# Altium PCB EBAZ4205.PcbDoc (part 4 of 6) (continued)
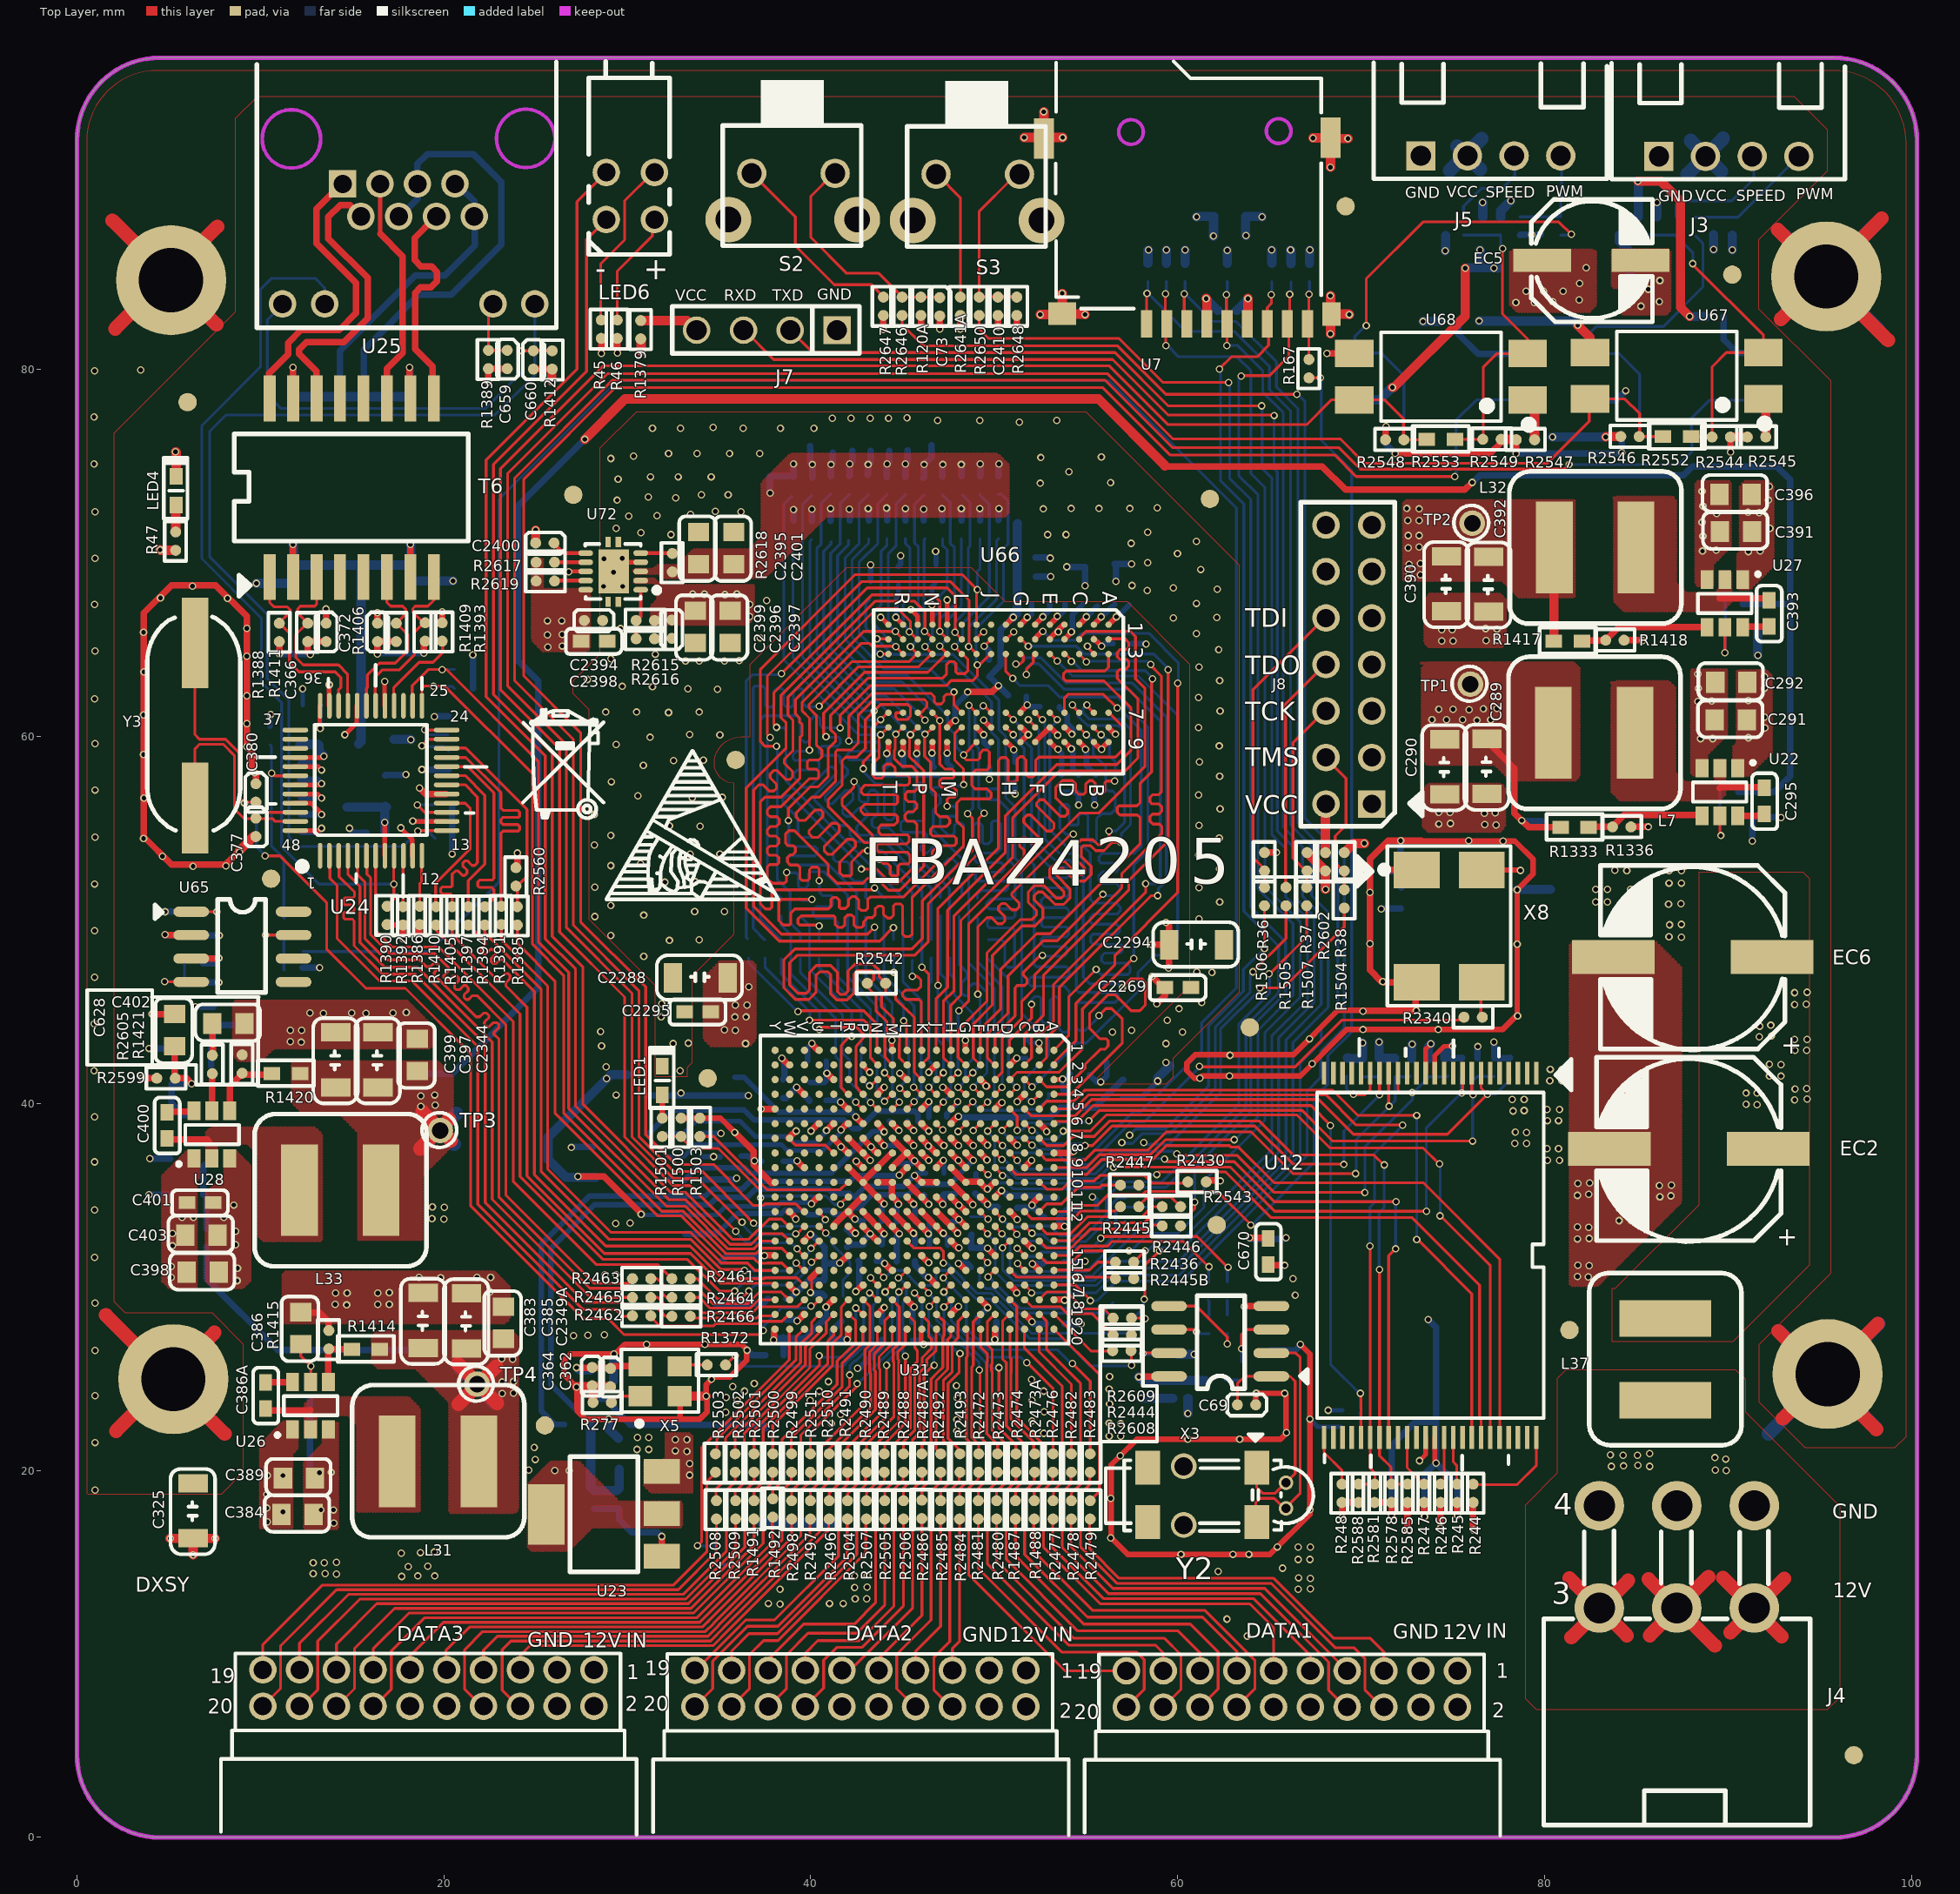
[diagram p0: Top Layer view]
## Nets (pads, with @x,y where several pads share a name; then routed paths per layer and width w, separated by ;. In a path a pad name is that pad's centre, name@x,y a point inside that pad or via, vN(x,y) a via of type N, cw(c..) or ccw(c..) an arc to the next point about the centre after c; other vN are vias at no path point) (continued)
  Top Layer w0.152: v1@44.006,40.081 44.006,40.103 v1(44.022,40.12) U31.M4@44.412,40.51
  Bottom Layer w0.152: R2521.1@41.481,47.831 41.481,46.906 43.256,45.131 43.256,42.481 43.612,42.124 43.612,41.808 ; 43.612,41.808 43.612,40.53 v1(44.022,40.12) v1@43.967,40.12
PS-DDR-A5_0: R2522.1 U31.L1 | length 5.7
  Top Layer w0.152: v1(45.056,44.506) 45.216,44.345 U31.L1@45.216,42.906
  Bottom Layer w0.152: R2522.1@43.506,47.931 43.506,46.931 45.056,45.381 v1(45.056,44.506)
PS-DDR-A6_0: R2523.1 U31.L4 | length 11
  Top Layer w0.152: v1@44.831,40.881 45.202,40.51 U31.L4@45.216,40.51
  Bottom Layer w0.152: R2523.1@42.981,50.156 43.006,50.131 43.006,46.906 44.431,45.481 44.431,44.381 45.331,43.481 45.331,41.381 v1@44.831,40.881
  other v1: 44.856,40.831
PS-DDR-A7_0: R2524.1 U31.K4 | length 10.6
  Top Layer w0.152: v1(45.606,40.881) 45.649,40.881 U31.K4@46.02,40.51
  Bottom Layer w0.152: R2524.1@44.031,50.206 43.981,50.156 43.981,49.131 43.984,49.128 43.984,48.733 43.981,48.73 43.981,48.131 43.984,48.129 43.984,47.733 43.981,47.73 43.981,46.981 45.631,45.331 45.631,40.906 v1(45.606,40.881)
PS-DDR-A8_0: R2525.1 U31.K1 | length 6.9
  Top Layer w0.152: v1(45.531,46.931) 45.806,46.931 46.006,46.731 46.006,46.381 45.806,46.181 45.156,46.181 45.006,46.031 45.006,45.856 45.181,45.681 45.906,45.681 46.02,45.566 U31.K1@46.02,42.906
  Bottom Layer w0.152: v1(45.531,46.931) 45.531,47.781 R2525.1@45.556,47.806
PS-DDR-A9_0: R2526.1 U31.J4 | length 8
  Top Layer w0.152: v1@46.456,40.856 46.802,40.51 U31.J4@46.824,40.51
  Bottom Layer w0.152: v1@46.406,40.831 46.831,41.256 46.831,41.931 46.456,42.306 46.456,46.531 46.556,46.631 R2526.1@46.556,47.931
  other v1: 46.431,40.881
PS-DDR-A10_0: R2527.1 U31.F5 | length 9.2
  Top Layer w0.152: U31.F5@49.236,39.711 49.606,40.081 v1(49.631,40.081)
  Bottom Layer w0.152: R2527.1@48.606,47.931 48.606,47.681 50.006,46.281 50.006,40.431 v1@49.631,40.056
PS-DDR-A11_0: R2528.1 U31.G4 | length 8.5
  Top Layer w0.152: v1(48.031,40.881) 48.402,40.51 U31.G4@48.432,40.51
  Bottom Layer w0.152: R2528.1@47.581,47.931 47.581,47.056 47.831,46.806 47.831,45.906 48.856,44.881 48.856,42.456 48.431,42.031 48.431,41.256 48.056,40.881 v1(48.031,40.881)
PS-DDR-A12_0: R2529.1 U31.E4 | length 10.3
  Top Layer w0.152: U31.E4@50.04,40.51 50.06,40.51 v1(50.431,40.881)
  Bottom Layer w0.152: R2529.1@49.081,50.106 49.106,50.081 49.106,47.706 50.431,46.381 v1(50.431,40.881)
PS-DDR-A13_0: R2530.1 U31.D4 | length 8.3
  Top Layer w0.152: U31.D4@50.844,40.51 50.86,40.51 v1(51.231,40.881)
  Bottom Layer w0.152: R2530.1@49.606,47.956 50.781,46.781 50.781,41.331 v1(51.231,40.881)
PS-DDR-A14_0: R2531.1 U31.F4 | length 12.5
  Top Layer w0.152: v1(48.856,40.881) 48.865,40.881 U31.F4@49.236,40.51
  Bottom Layer w0.152: R2531.1@48.081,50.206 48.081,47.606 48.531,47.156 48.531,46.881 48.231,46.581 48.231,46.031 48.381,45.881 48.531,45.881 48.581,45.931 48.581,46.281 48.831,46.531 49.131,46.531 49.606,46.056 49.606,41.681 v1@48.881,40.956
PS-DDR-BA0_0: R2514.1 U31.L5 | length 11.1
  Top Layer w0.152: U31.L5@45.216,39.711 45.236,39.711 v1(45.631,40.106)
  Bottom Layer w0.152: R2514.1@45.031,50.081 45.031,46.631 46.012,45.649 46.012,40.487 v1(45.631,40.106)
PS-DDR-BA1_0: R2515.1 U31.R4 | length 11.3
  Top Layer w0.152: U31.R4@42.001,40.51 41.656,40.894 41.656,43.155 42.106,43.656 v1(42.231,43.656)
  Bottom Layer w0.152: R2515.1@39.406,50.181 39.456,50.181 39.931,49.706 39.931,47.306 42.231,45.006 v1(42.231,43.656)
PS-DDR-BA2_0: R2516.1 U31.J5 | length 11.3
  Top Layer w0.152: U31.J5@46.824,39.711 46.861,39.711 v1(47.231,40.081)
  Bottom Layer w0.152: R2516.1@47.056,50.231 47.056,47.081 47.381,46.756 47.381,45.606 47.556,45.431 47.556,44.481 47.381,44.306 47.381,43.581 47.631,43.331 47.631,40.481 v1@47.181,40.031
PS-DDR-CAS_0: R2533.1 U31.P5 | length 12.3
  Top Layer w0.152: v1(42.456,40.081) 42.456,40.06 U31.P5@42.805,39.711
  Bottom Layer w0.152: R2533.1@38.381,50.206 38.381,49.731 38.906,49.206 38.906,47.081 41.356,44.631 41.356,42.556 41.606,42.306 41.606,40.906 42.431,40.081 v1@42.431,40.056
PS-DDR-CKE_0: R2536.1 U31.N3 | length 8.6
  Top Layer w0.152: v1@43.231,40.931 U31.N3@43.608,41.308
  Bottom Layer w0.152: R2536.1@40.456,47.906 40.456,47.406 42.756,45.106 42.756,41.356 v1@43.143,40.968
  other v1: 43.205,40.97
PS-DDR-CS_0: R2535.1 U31.N1 | length 10
  Top Layer w0.152: v1(39.306,45.006) 39.356,45.056 42.881,45.056 43.608,44.328 U31.N1@43.608,42.906
  Bottom Layer w0.152: R2535.1@36.606,47.931 36.606,47.681 39.181,45.106 v1@39.206,45.106
PS-DDR-ODT_0: R2513.1 U31.N5 | length 10
  Top Layer w0.152: v1(43.256,40.056) 43.264,40.056 U31.N5@43.608,39.711
  Bottom Layer w0.152: R2513.1@39.431,47.906 39.431,47.156 41.731,44.856 41.731,42.756 42.106,42.381 42.106,41.206 v1@43.281,40.031
PS-DDR-RAS_0: R2532.1 U31.P4 | length 10.8
  Top Layer w0.152: v1(40.456,44.031) 40.581,44.156 42.506,44.156 42.881,43.781 42.881,43.606 42.469,43.104 42.469,40.945 U31.P4@42.805,40.51
  Bottom Layer w0.152: R2532.1@38.406,47.881 38.406,47.056 40.481,44.981 v1@40.481,44.056
PS-DDR-WE_0: R2534.1 U31.M5 | length 9.3
  Top Layer w0.152: U31.M5@44.412,39.711 44.461,39.711 v1(44.831,40.081)
  Bottom Layer w0.152: R2534.1@42.506,47.931 42.506,46.906 44.031,45.381 44.031,43.63 44.024,43.624 44.024,43.087 44.456,42.656 44.456,41.83 44.449,41.824 44.449,40.487 v1@44.781,40.156
REGOUT: C379.2 C382.1 L30.2 U24.8 | length 5.4
  Top Layer w0.254: v1@16.763,55.312 v1(16.781,55.331) U24.8@16.781,53.524
  Bottom Layer w0.508: L30.2@14.731,56.156 16.756,56.156 C379.2@16.806,56.206 ; C382.1@16.781,54.756 16.781,56.081 C379.2@16.856,56.156
REGOUT.0: C368.1 C371.1 C373.1 C375.1 L30.1 T6.2 T6.7 U24.32 | length 23.8
  Top Layer w0.254: v1(14.606,60.106) 15.249,60.749 U24.32@15.249,61.681
  Top Layer w0.356: v1(11.781,70.481) 11.784,70.477 T6.2@11.784,68.706 ; T6.7@18.177,68.706 18.177,70.477 v1(18.181,70.481)
  Bottom Layer w0.508: v1@11.781,70.456 11.806,70.431 C375.1@11.806,69.356 15.482,69.356 ; C371.1@15.356,59.606 15.482,59.731 15.482,69.356 ; v1(18.181,70.481) 18.206,70.456 18.206,69.456 18.106,69.356 15.482,69.356
RESET.0_0: R2392.1 U31.C7 | length 121.7
  Top Layer w0.152: U31.C7@51.648,38.113 52.031,37.731 v1@52.056,37.731
  Bottom Layer w0.152: R2392.1@12.306,48.281 19.206,48.281 23.006,52.081 23.006,72.956 29.456,79.406 56.256,79.406 63.206,72.456 63.206,46.306 61.306,44.406 61.306,42.881 57.981,39.556 57.581,39.556 55.006,36.981 54.106,36.981 53.581,37.506 52.365,37.506 52.165,37.706 v1@52.131,37.706
  other v1: 52.058,37.733
RESET.1_0: C376.1 R1401.1 R1995.1 U24.42 | length 11.1
  Top Layer w0.152: v1(10.606,58.006) 10.744,57.867 U24.42@11.881,57.867
  Bottom Layer w0.152: R1995.1@10.531,59.556 10.606,59.481 10.606,54.031 11.281,53.356 11.281,50.131 R1401.1@11.306,50.106
REST.ON_0: R2469.2 U24.26 U31.Y14 | length 45.1
  Top Layer w0.152: U24.26@18.276,61.681 18.276,62.776 19.156,63.656 v1(19.906,63.656) 20.156,63.656 25.156,58.656 25.156,48.806 26.806,47.156 26.806,39.731 32.131,34.406 33.156,34.406 35.487,32.074 36.858,32.074 36.873,32.089 36.914,32.089 37.331,32.506 U31.Y14@37.956,32.506
  Bottom Layer w0.152: v1@20.006,63.656 R2469.2@20.581,63.656
RXCLK_0: R1410.1 U31.U14 | length 35.8
  Top Layer w0.152: R1410.1@19.581,49.731 19.581,49.456 24.156,44.881 24.156,36.031 28.681,31.506 33.281,31.506 35.006,29.781 v1(35.856,29.781) ; v1@40.031,32.106 40.393,32.467 U31.U14@40.393,32.523
  Bottom Layer w0.152: v1@35.856,29.806 35.881,29.806 36.606,30.531 39.047,30.531 39.631,31.115 39.631,31.181 39.624,31.187 39.624,31.624 v1@40.006,32.006
  other v1: 40.006,32.106
RXD0_0: R1391.1 U31.Y16 | length 29
  Top Layer w0.152: R1391.1@23.131,49.756 23.131,48.931 25.656,46.406 25.656,36.431 29.106,32.981 33.456,32.981 35.124,31.312 36.549,31.312 36.956,30.906 U31.Y16@37.956,30.906
RXD1_0: R1394.1 U31.V16 | length 31.4
  Top Layer w0.152: R1394.1@22.231,49.731 22.231,49.306 25.306,46.231 25.306,36.281 28.981,32.606 33.456,32.606 35.106,30.956 36.356,30.956 v1@36.381,30.931 ; v1@39.256,31.256 39.258,31.256 U31.V16@39.589,30.925
  Bottom Layer w0.152: v1@36.381,30.931 36.431,30.881 38.806,30.881 v1@39.156,31.231
  other v1: 36.381,30.906 39.206,31.306
RXD2_0: R1397.1 U31.V17 | length 33.9
  Top Layer w0.152: R1397.1@21.331,49.731 22.256,48.806 22.256,48.656 22.031,48.431 22.031,48.256 22.131,48.156 22.281,48.156 22.531,48.406 22.656,48.406 22.806,48.256 22.806,48.131 22.581,47.906 22.581,47.731 22.681,47.631 22.856,47.631 23.081,47.856 23.181,47.856 24.931,46.106 24.931,36.131 28.831,32.231 33.431,32.231 35.206,30.456 37.456,30.456 37.505,30.504 39.232,30.504 U31.V17@39.556,30.181
RXD3_0: R1405.1 U31.Y17 | length 32.2
  Top Layer w0.152: R1405.1@20.456,49.731 20.456,49.206 22.881,46.781 23.031,46.781 23.331,47.081 23.506,47.081 23.606,46.981 23.606,46.806 23.381,46.581 23.381,46.406 24.531,45.256 24.531,36.056 28.756,31.831 33.456,31.831 35.085,30.202 37.906,30.202 U31.Y17@37.981,30.127
RXDV_0: R1385.1 U31.W16 | length 27.4
  Top Layer w0.152: R1385.1@24.006,49.731 24.006,48.731 26.056,46.681 26.056,39.481 31.66,33.877 32.951,33.877 35.261,31.566 36.895,31.566 36.982,31.479 37.162,31.299 37.649,31.299 37.656,31.306 38.431,31.306 U31.W16@38.781,30.956
RY/#BY_0: R1358.1 U12.7 U31.C5 | length 30.4
  Top Layer w0.152: U31.C5@51.648,39.711 52.028,39.331 54.406,39.331 55.298,40.223 67.689,40.223 69.581,38.331 74.706,38.331 v1(76.881,40.506) 76.536,40.85 U12.7@76.536,41.656
  Bottom Layer w0.152: v1(76.881,40.506) 77.331,40.506 78.131,41.306 R1358.1@78.131,41.406
TXCLK_0: R2461.1 U24.7 | length 33.1
  Top Layer w0.152: U24.7@16.283,53.506 16.283,49.428 17.181,48.531 19.731,48.531 23.781,44.481 23.781,35.756 28.306,31.231 31.656,31.231 R2461.1@32.356,30.531
TXD0_0: R2463.1 U24.6 | length 34.5
  Top Layer w0.152: U24.6@15.804,53.506 15.804,52.508 16.006,52.306 16.006,49.206 17.031,48.181 19.481,48.181 20.256,47.406 20.256,47.231 20.006,46.981 20.006,46.881 20.156,46.731 20.281,46.731 20.506,46.956 20.681,46.956 20.806,46.831 20.806,46.706 20.581,46.481 20.581,46.306 20.681,46.206 20.856,46.206 21.081,46.431 21.206,46.431 21.331,46.306 21.331,46.156 21.106,45.931 21.106,45.781 21.206,45.681 21.356,45.681 21.556,45.881 21.806,45.881 23.381,44.306 23.381,35.006 28.181,30.206 30.081,30.206 R2463.1@30.306,30.431
TXD1_0: R2464.1 U24.5 | length 37
  Top Layer w0.152: U24.5@15.299,53.506 15.299,52.462 15.706,52.056 15.706,48.981 16.856,47.831 18.681,47.831 19.056,47.456 19.256,47.456 19.456,47.656 19.631,47.656 19.706,47.581 19.706,47.381 19.481,47.156 19.481,47.006 21.756,44.731 21.956,44.731 22.156,44.931 22.331,44.931 22.456,44.806 22.456,44.681 22.281,44.506 22.206,44.431 22.206,44.306 22.331,44.181 22.456,44.181 22.681,44.406 22.906,44.406 23.006,44.306 23.006,44.156 22.731,43.881 22.731,43.781 23.006,43.506 23.006,34.881 27.956,29.931 31.631,29.931 32.131,29.431 R2464.1@32.381,29.431
TXD2_0: R2465.1 U24.4 | length 32.4
  Top Layer w0.152: U24.4@14.781,53.031 14.781,52.481 15.431,51.831 15.431,48.781 16.781,47.431 18.556,47.431 22.631,43.356 22.631,34.781 27.981,29.431 R2465.1@30.281,29.431
TXD3_0: R2466.1 U24.3 | length 37.8
  Top Layer w0.152: U24.3@14.29,53.506 14.29,52.372 15.131,51.531 15.131,51.306 15.031,51.206 14.606,51.206 14.531,51.131 14.531,50.881 14.581,50.831 14.956,50.831 15.106,50.681 15.106,50.531 15.006,50.431 14.581,50.431 14.531,50.381 14.531,50.131 14.606,50.056 15.006,50.056 15.106,49.956 15.106,48.606 16.656,47.056 18.431,47.056 22.256,43.231 22.256,34.606 27.706,29.156 29.756,29.156 29.981,28.931 31.556,28.931 32.081,28.406 R2466.1@32.356,28.406
TXEN_0: R2462.1 U24.2 | length 34.3
  Top Layer w0.152: U24.2@13.785,53.506 13.785,52.276 14.181,51.881 14.181,49.006 16.506,46.681 18.281,46.681 21.856,43.106 21.856,34.506 27.581,28.781 29.356,28.781 29.731,28.406 R2462.1@30.256,28.406
U3.A14_0: R2650.1 U31.A14 | length 72.4
  Top Layer w0.152: R2650.1@49.181,82.956 49.181,82.206 49.681,81.706 56.806,81.706 59.206,79.306 v1(62.781,79.306) ; U31.A14@53.256,32.523 54.223,32.523 55.206,33.506 58.206,33.506 58.531,33.831 60.481,33.831 60.931,34.281 v1(60.931,34.631)
  Bottom Layer w0.152: v1@60.931,34.581 60.931,36.506 63.985,39.56 63.985,39.911 63.981,39.915 63.981,44.131 65.881,46.031 65.881,48.806 63.981,50.706 63.981,72.931 62.831,74.081 62.831,79.256 v1(62.781,79.306)
U3.A17_0: R2646.1 U31.A17 | length 84.3
  Top Layer w0.152: R2646.1@44.981,82.956 44.981,82.456 46.131,81.306 56.706,81.306 59.356,78.656 v1(66.506,78.656) ; U31.A17@53.256,30.127 54.41,30.127 v1@55.231,29.306
  Bottom Layer w0.152: v1@55.356,29.256 55.606,29.256 56.681,30.331 60.231,30.331 67.056,37.156 67.056,40.681 67.806,41.431 67.806,42.856 69.081,44.131 69.081,53.406 66.931,55.556 66.931,78.281 66.556,78.656 v1(66.506,78.656)
  other v1: 55.231,29.256
U3.A.9_0: R160.1 U7.8 U31.A9 | length 61.7
  Top Layer w0.152: U31.A9@53.256,36.516 55.041,36.516 55.735,37.21 58.51,37.21 59.331,38.031 v1(63.081,38.031) ; v1@63.481,79.681 65.006,79.681 66.056,80.731 66.056,82.434 U7.8@65.984,82.506 66.106,82.627 v1(66.106,84.106)
  Bottom Layer w0.152: v1@63.106,38.006 64.381,39.281 64.381,44.006 66.281,45.906 66.281,49.806 64.381,51.706 64.381,73.181 63.331,74.231 v1@63.331,79.531 ; v1@66.131,84.081 66.181,84.131 R160.1@66.181,84.781
  other v1: 63.456,79.656
U3.A.12_0: R167.1 U31.A12 | length 62.1
  Top Layer w0.152: 53.77,34.12 53.256,34.12 54.041,34.12 54.367,34.446 55.621,34.446 55.831,34.656 56.206,35.031 58.081,35.031 58.256,35.206 62.181,35.206 63.981,33.406 v1(63.981,33.381) ; R167.1@67.156,79.556 v1(67.781,79.556)
  Bottom Layer w0.152: v1(63.981,33.381) 64.031,33.381 67.431,36.781 67.431,40.306 68.181,41.056 68.181,42.606 69.481,43.906 69.481,74.506 67.831,76.156 v1@67.831,79.406
U3.A.16_0: J7.2 R2436.2 | length 79.8
  Top Layer w0.152: J7.2@38.881,82.156 40.106,80.931 56.581,80.931 59.481,78.031 v1(64.581,78.031) ; R2436.2@57.606,31.356 v1(58.231,31.981)
  Bottom Layer w0.152: v1(58.231,31.981) 58.356,31.981 58.906,32.531 60.181,32.531 65.131,37.481 65.131,43.681 67.081,45.631 67.081,50.081 65.881,51.281 65.881,53.906 65.131,54.656 65.131,74.106 64.606,74.631 64.606,77.906 v1@64.631,77.931
U3.B.15_0: R164.1 U7.2 U31.B15 | length 67.9
  Top Layer w0.152: U31.B15@52.452,31.724 52.845,31.331 54.206,31.331 54.852,31.977 57.352,31.977 v1(57.356,31.981) ; v1(59.331,84.131) 59.331,82.577 U7.2@59.403,82.506 59.356,82.459 v1(59.356,81.306)
  Bottom Layer w0.152: v1(57.356,31.981) 57.456,31.981 58.406,32.931 60.031,32.931 61.431,34.331 61.431,35.756 64.756,39.081 64.756,43.881 66.681,45.806 66.681,49.906 64.756,51.831 64.756,73.581 63.981,74.356 63.981,79.956 63.231,80.706 60.056,80.706 v1@59.456,81.306 ; v1@59.381,84.156 R164.1@59.381,84.806
U3.C.17_0: R163.1 U7.3 U31.C17 | length 72.6
  Top Layer w0.152: U31.C17@51.648,30.127 52.069,29.706 v1@52.081,29.706 ; v1(60.356,84.131) 60.356,82.649 U7.3@60.5,82.506
  Bottom Layer w0.152: v1@52.056,29.656 52.087,29.687 53.999,29.687 54.006,29.681 55.531,29.681 56.506,30.656 60.106,30.656 66.681,37.231 66.681,42.206 67.831,43.356 67.831,44.256 68.731,45.156 68.731,53.106 66.556,55.281 66.556,77.881 65.381,79.056 65.381,80.431 63.181,82.631 61.906,82.631 v1@60.481,84.056 ; v1@60.406,84.131 R163.1@60.406,84.806
  other v1: 52.031,29.681
U3.D.14_0: R162.1 U7.5 U31.D14 | length 71.1
  Top Layer w0.152: v1(50.456,32.131) 50.456,32.135 U31.D14@50.844,32.523 ; v1(62.656,84.081) 62.656,82.543 U7.5@62.693,82.506 62.693,81.318 v1(62.681,81.306)
  Bottom Layer w0.152: v1(50.456,32.131) 50.456,30.956 51.07,30.341 55.441,30.341 56.506,31.406 60.056,31.406 65.906,37.256 65.906,43.481 67.831,45.406 67.831,50.281 66.806,51.306 66.806,54.006 65.756,55.056 65.756,77.656 64.631,78.781 64.631,79.956 63.256,81.331 v1@62.731,81.331 ; v1@62.706,84.106 R162.1@62.706,84.806
U3.E.12_0: R161.1 U7.7 U31.E12 | length 66.9
  Top Layer w0.152: U31.E12@50.04,34.12 v1(50.456,33.706) v1(50.456,33.706) ; v1(62.281,80.031) 62.281,80.056 62.931,80.706 64.331,80.706 64.956,81.331 64.956,82.437 U7.7@64.887,82.506 64.887,83.387 65.106,83.606 v1(65.106,84.081)
  Bottom Layer w0.152: v1@50.456,33.631 v1(50.456,33.706) 50.887,33.274 51.394,33.274 51.843,33.274 51.893,33.324 53.062,33.324 53.581,32.806 54.956,32.806 56.106,33.956 56.106,34.856 56.681,35.431 59.356,35.431 63.731,39.806 63.727,39.81 63.727,44.252 65.506,46.031 65.506,48.581 63.606,50.481 63.606,72.681 62.331,73.956 v1@62.331,80.031 ; v1@65.131,84.106 R161.1@65.131,84.806
U3.F13_0: R165.1 U7.1 U31.F13 | length 78.1
  Top Layer w0.152: U31.F13@49.236,33.321 49.631,32.927 v1(49.631,32.906) ; U7.1@58.306,82.506 58.306,84.131 v1(58.331,84.156)
  Bottom Layer w0.152: v1@49.606,32.906 50.056,32.456 50.056,30.831 50.799,30.087 55.562,30.087 56.506,31.031 60.056,31.031 66.281,37.256 66.281,43.331 68.206,45.256 68.206,50.431 67.306,51.331 67.306,54.031 66.156,55.181 66.156,77.756 65.006,78.906 65.006,80.181 63.106,82.081 60.456,82.081 v1@58.381,84.156 ; v1@58.306,84.081 v1@58.381,84.156 ; v1(58.331,84.156) v1@58.381,84.156 ; R165.1@58.381,84.806 v1@58.381,84.156
U3.F.15_0: J7.3 R2437.1 | length 85.8
  Top Layer w0.152: J7.3@36.331,82.156 36.381,82.156 37.981,80.556 56.456,80.556 59.481,77.531 65.231,77.531 v1(65.256,77.506) ; v1@58.106,29.331 58.206,29.431 58.206,31.181 v1(59.006,31.981) v1@59.006,32.006
  Bottom Layer w0.152: R2437.1@57.506,28.231 58.131,28.856 v1@58.131,29.356 ; v1(59.006,31.981) 59.181,32.156 60.306,32.156 65.506,37.356 65.506,43.581 67.431,45.506 67.431,50.206 66.406,51.231 66.406,53.881 65.431,54.856 65.431,74.431 65.256,74.606 v1@65.256,77.456
  other v1: 58.181,29.331
U3.U12_0: R2554.1 U31.U12 U69.2 | length 126.3
  Top Layer w0.152: v2@36.939,33.422 36.606,33.756 36.606,33.781 34.081,36.306 32.531,36.306 30.631,38.206 30.631,46.156 27.056,49.731 27.056,59.856 23.856,63.056 23.856,74.081 29.206,79.431 56.031,79.431 59.706,75.756 68.781,75.756 69.956,74.581 74.931,74.581 74.937,74.587 75.274,74.587 75.281,74.581 81.081,74.581 v2(81.331,74.831) ; U31.U12@40.393,34.12 v1@40.807,33.706
  Bottom Layer w0.152: v2@36.939,33.422 37.056,33.306 40.481,33.306 40.795,33.619 v1(40.795,33.669) ; v2(81.331,74.831) 87.331,74.831 88.031,75.531 R2554.1@88.031,76.406 ; R2554.1@88.006,76.331 88.006,77.356 88.981,78.331 91.456,78.331 U69.2@91.506,78.381
  other v2: 36.881,33.481
U3.V12_0: R2557.1 U31.V12 U70.2 | length 111.3
  Top Layer w0.152: U31.V12@39.589,34.12 39.178,34.531 37.506,34.531 37.424,34.449 36.862,34.449 35.549,35.762 35.549,35.837 34.706,36.681 32.631,36.681 31.006,38.306 31.006,46.356 27.456,49.906 27.456,60.206 24.356,63.306 24.356,74.031 29.356,79.031 55.906,79.031 59.581,75.356 68.556,75.356 69.731,74.181 v1(75.106,74.181)
  Bottom Layer w0.152: v1@75.081,74.156 75.181,74.256 75.181,77.256 76.281,78.356 U70.2@79.106,78.356
U3.V13_0: R2546.2 R2552.1 U31.V13 U67.4 | length 121.3
  Top Layer w0.152: v2@36.256,33.506 36.231,33.506 33.831,35.906 32.531,35.906 30.256,38.181 30.256,46.006 26.681,49.581 26.681,59.556 23.481,62.756 23.481,74.356 28.906,79.781 56.181,79.781 59.731,76.231 68.856,76.231 70.181,74.906 80.156,74.906 82.431,77.181 U67.4@82.431,78.056 ; v1@39.256,32.906 39.589,33.239 U31.V13@39.589,33.321 ; U67.4@82.481,78.406 84.381,78.406 85.181,77.606 R2546.2@85.181,76.331 ; R2546.2@85.156,76.356 86.356,76.356 R2552.1@86.381,76.331
  Bottom Layer w0.152: v2@36.231,33.506 36.231,33.431 36.806,32.856 39.131,32.856 v1@39.156,32.831
  other v1: 39.181,32.906
  other v2: 36.256,33.531
U3.V15_0: R2548.2 R2553.1 U31.V15 U68.4 | length 107.9
  Top Layer w0.152: v1@35.981,32.981 33.431,35.531 32.506,35.531 29.856,38.181 29.856,45.806 26.306,49.356 26.306,59.331 23.081,62.556 23.081,74.606 28.681,80.206 56.281,80.206 59.481,77.006 67.031,77.006 68.381,78.356 U68.4@69.631,78.356 71.281,78.356 72.306,77.331 R2548.2@72.306,76.206 ; v1(39.256,32.081) 39.256,32.057 U31.V15@39.589,31.724 ; R2548.2@72.331,76.181 R2553.1@73.606,76.181
  Bottom Layer w0.152: v1@35.981,32.981 35.981,32.931 36.506,32.406 38.931,32.406 v1(39.256,32.081)
  other v1: 35.906,33.031
U3.W13_0: LED6.4 U31.W13 | length 67.6
  Top Layer w0.152: LED6.4@28.856,88.181 27.781,87.106 27.781,79.906 22.706,74.831 22.706,62.306 25.906,59.106 25.906,49.106 27.581,47.431 27.581,39.956 32.381,35.156 33.181,35.156 35.731,32.606 36.631,32.606 37.731,33.706 38.406,33.706 U31.W13@38.756,33.356
U3.W14_0: LED6.3 U31.W14 | length 70.8
  Top Layer w0.152: LED6.3@28.856,90.756 27.256,89.156 27.256,80.031 22.306,75.081 22.306,62.181 25.531,58.956 25.531,48.981 27.181,47.331 27.181,39.856 32.281,34.756 33.181,34.756 35.608,32.328 36.753,32.328 37.331,32.906 38.456,32.906 U31.W14@38.806,32.556
U12-IO0_0: R2577.1 R2584.1 U12.29 U31.A6 | length 35.5
  Top Layer w0.152: U31.A6@53.256,38.912 53.374,39.031 54.531,39.031 55.389,39.889 67.273,39.889 68.331,38.831 v1(68.331,38.806) ; v1(69.956,24.206) 69.994,24.168 U12.29@69.994,21.806
  Bottom Layer w0.152: v1@68.281,38.931 68.331,38.881 68.331,25.781 69.906,24.206 v1(69.956,24.206) 69.956,23.381 R2577.1@70.006,23.331 ; R2577.1@69.931,23.156 69.956,23.131 R2584.1@69.956,22.381
U12-IO1_0: R2581.2 R2588.2 U12.30 U31.A5 | length 41.2
  Top Layer w0.152: U31.A5@53.256,39.711 54.386,39.711 55.152,40.477 68.085,40.477 69.731,38.831 v1(72.256,38.831) ; R2588.2@69.856,19.256 R2581.2@70.681,19.256 ; v1(70.481,32.231) 70.497,32.214 U12.30@70.497,21.806 70.497,20.114 70.756,19.856 R2581.2@70.756,19.306
  Bottom Layer w0.152: v1(70.481,32.231) 70.481,34.356 70.731,34.606 70.731,37.281 72.206,38.756 v1@72.256,38.756
U12-IO2_0: R2578.2 R2585.2 U12.31 U31.B7 | length 39.1
  Top Layer w0.152: U31.B7@52.452,38.113 52.452,38.11 52.856,37.706 53.781,37.706 54.281,38.206 55.456,38.206 56.306,39.056 64.431,39.056 66.281,37.206 70.681,37.206 71.231,36.656 v1(71.256,36.656) ; v1(71.006,30.956) 71,30.95 U12.31@71,21.806 71,20.811 71.631,20.181 R2578.2@71.631,19.406 ; R2578.2@71.656,19.256 72.356,19.256 R2585.2@72.381,19.231
  Bottom Layer w0.152: v1@70.981,30.781 70.981,34.056 71.256,34.331 v1(71.256,36.656)
U12-IO3_0: U12.32 U31.E8 | length 36.5
  Top Layer w0.152: U31.E8@50.04,37.315 v1@50.449,36.906 ; v1(59.281,36.981) 59.431,36.831 63.081,36.831 65.256,34.656 v1(71.906,34.656) ; U12.32@71.504,21.806 71.504,31.703 v1(71.881,32.081)
  Bottom Layer w0.152: v1@50.581,36.906 50.59,36.906 50.935,36.561 50.935,36.552 51.314,36.173 55.523,36.173 56.381,37.031 56.856,37.031 ; 56.881,37.006 v1@59.256,37.006 ; v1(71.881,32.081) v1@71.881,34.631
  other v1: 50.431,36.956
U12-IO4_0: U12.41 U31.B5 | length 40.4
  Top Layer w0.152: U31.B5@52.452,39.711 52.872,40.131 54.331,40.131 54.931,40.731 68.456,40.731 69.831,39.356 v1(73.031,39.356) ; v1(73.031,32.581) 73.081,32.581 76.033,29.628 U12.41@76.033,21.806
  Bottom Layer w0.152: v1@73.006,39.356 73.031,39.331 v1(73.031,32.581)
U12-IO5_0: U12.42 U31.E9 | length 37.8
  Top Layer w0.152: U31.E9@50.04,36.516 50.426,36.131 v1@50.456,36.131 ; v1@58.856,36.181 58.952,36.277 62.61,36.277 65.106,33.781 72.781,33.781 76.456,30.106 76.456,22.831 76.536,22.75 U12.42@76.536,21.806
  Bottom Layer w0.152: v1(50.456,36.081) 50.656,36.081 51.072,35.665 55.79,35.665 56.231,36.106 58.731,36.106 v1@58.806,36.181
  other v1: 58.856,36.131
U12-IO6_0: U12.43 U31.C6 | length 40.8
  Top Layer w0.152: U31.C6@51.648,38.912 52.055,38.506 52.056,38.506 v1(52.056,38.545) ; v1(53.756,38.506) 55.231,38.506 56.106,39.381 66.506,39.381 68.306,37.581 73.381,37.581 74.256,36.706 v1(74.281,36.706) ; v1(74.306,33.881) 74.331,33.881 77.04,31.172 U12.43@77.04,21.806
  Bottom Layer w0.152: v1(52.056,38.545) 52.056,38.506 52.231,38.506 52.677,38.06 53.385,38.06 53.756,38.431 v1@53.756,38.481 ; v1@74.231,36.681 74.306,36.606 v1(74.306,33.881)
U12-IO7_0: U12.44 U31.D9 | length 39.5
  Top Layer w0.152: U31.D9@50.844,36.516 50.844,36.492 51.206,36.131 55.031,36.131 55.856,36.956 58.631,36.956 59.381,37.706 62.831,37.706 62.912,37.624 63.249,37.624 63.281,37.656 65.256,35.681 73.406,35.681 77.556,31.531 U12.44@77.556,22.181
U31-A15_0: R2438.2 U31.A15 | length 10
  Top Layer w0.152: U31.A15@53.256,31.724 54.174,31.724 54.681,32.231 56.181,32.231 56.431,32.481 60.306,32.481 61.681,31.106 v1(61.706,31.106)
  Bottom Layer w0.152: R2438.2@61.681,30.256 61.681,30.906 v1@61.706,30.931
U31-D13_0: R2439.2 U31.D13 | length 14.1
  Top Layer w0.152: U31.D13@50.844,33.321 51.281,32.885 v1@51.281,32.881 ; v1@55.706,32.631 55.831,32.756 61.056,32.756 62.731,31.081 v1(62.756,31.081)
  Bottom Layer w0.152: v1@51.281,32.856 51.281,32.806 51.581,32.506 52.356,32.506 52.681,32.181 55.381,32.181 v1@55.781,32.581 ; R2439.2@62.706,30.281 62.706,30.981 v1@62.731,31.006
  other v1: 55.806,32.656 51.231,32.881
U31-L14_0: R2609.2 U31.L14 | length 16.6
  Top Layer w0.152: U31.L14@45.216,32.523 45.608,32.131 47.056,32.131 47.231,31.956 v1(47.231,31.306) v1@47.256,31.281 ; R2609.2@57.481,28.306 58.206,28.306 v1(58.231,28.281)
  Bottom Layer w0.152: v1@47.256,31.281 47.456,31.281 49.081,29.656 49.856,29.656 52.031,27.481 57.506,27.481 v1@58.256,28.231
U31-N16_0: R2608.2 U31.N16 | length 18.1
  Top Layer w0.152: U31.N16@43.608,30.925 44.031,30.503 v1@44.031,30.481 ; R2608.2@57.456,26.531 57.481,26.506 v1(57.481,25.731)
  Bottom Layer w0.152: v1@44.031,30.481 44.456,30.906 45.056,30.906 45.879,30.082 46.732,30.082 46.831,30.181 46.831,30.831 46.906,30.906 47.456,30.906 49.006,29.356 49.756,29.356 51.931,27.181 53.731,27.181 55.206,25.706 v1@57.356,25.706
  other v1: 43.981,30.531
U31-TCK_0: R37.1 U31.F9 | length 28.8
  Top Layer w0.152: U31.F9@49.236,36.516 49.631,36.121 v1@49.631,36.081 ; v1(64.981,47.081) 65.031,47.081 67.031,49.081 R37.1@67.031,50.781
  Bottom Layer w0.152: v1@49.631,36.081 50.037,35.674 50.687,35.674 51.006,35.356 55.881,35.356 56.256,35.731 58.681,35.731 58.687,35.724 59.124,35.724 63.331,39.931 63.331,44.331 65.006,46.006 v1@65.006,46.981
  other v1: 49.656,36.131
U31-TDI_0: R1506.1 U31.G6 | length 27.1
  Top Layer w0.152: v1(48.031,38.481) 48.432,38.882 U31.G6@48.432,38.912 ; v1(64.731,48.456) R1506.1@64.731,50.781
  MidLayer2 w0.127: v1(48.031,38.481) 48.304,38.481 49.018,39.195 54.392,39.195 55.291,38.295 57.366,38.295 v1(57.381,38.281)
  Bottom Layer w0.152: v1(57.381,38.281) 57.71,38.61 59.335,38.61 61.681,40.956 61.681,44.231 63.581,46.131 63.581,47.306 v1(64.731,48.456)
U31-TDO_0: R1505.1 U31.F6 | length 27.3
  Top Layer w0.152: v1(48.856,38.531) 49.236,38.911 U31.F6@49.236,38.912 ; v1(64.106,47.181) 64.106,47.206 65.906,49.006 R1505.1@65.906,50.781
  MidLayer2 w0.127: v1(48.856,38.531) 48.856,38.558 49.218,38.92 54.242,38.92 55.281,37.881 v1(56.956,37.881)
  Bottom Layer w0.152: v1@56.881,37.781 56.906,37.756 57.031,37.881 57.081,37.831 57.531,37.831 58.056,38.356 59.581,38.356 62.056,40.831 62.056,44.181 63.956,46.081 63.956,47.031 v1(64.106,47.181)
U31-TMS_0: R1504.1 U31.J6 | length 31.7
  Top Layer w0.152: U31.J6@46.824,38.912 v1@47.256,38.481 ; v1(64.481,46.306) 65.756,46.306 69.081,49.631 R1504.1@69.081,50.656
  MidLayer2 w0.127: v1(47.206,38.556) 47.229,38.556 47.543,38.87 48.193,38.87 48.768,39.445 55.341,39.445 55.916,38.87 57.466,38.87 58.141,38.195 v1@58.141,37.87
  Bottom Layer w0.152: v1@58.156,37.781 59.531,37.781 62.331,40.581 62.331,44.056 64.481,46.206 v1(64.481,46.306)
  other v1: 58.156,37.881
U31.W20_0: R1481.2 U31.W20 | length 14.7
  Top Layer w0.152: v1(33.831,15.906) 34.056,16.131 34.056,21.256 38.831,26.031 38.831,27.685 U31.W20@38.785,27.731
  Bottom Layer w0.152: v1@33.931,15.881 R1481.2@34.731,15.881